# Altium PCB PCB1_1.pcbdoc (part 2 of 3) (continued)
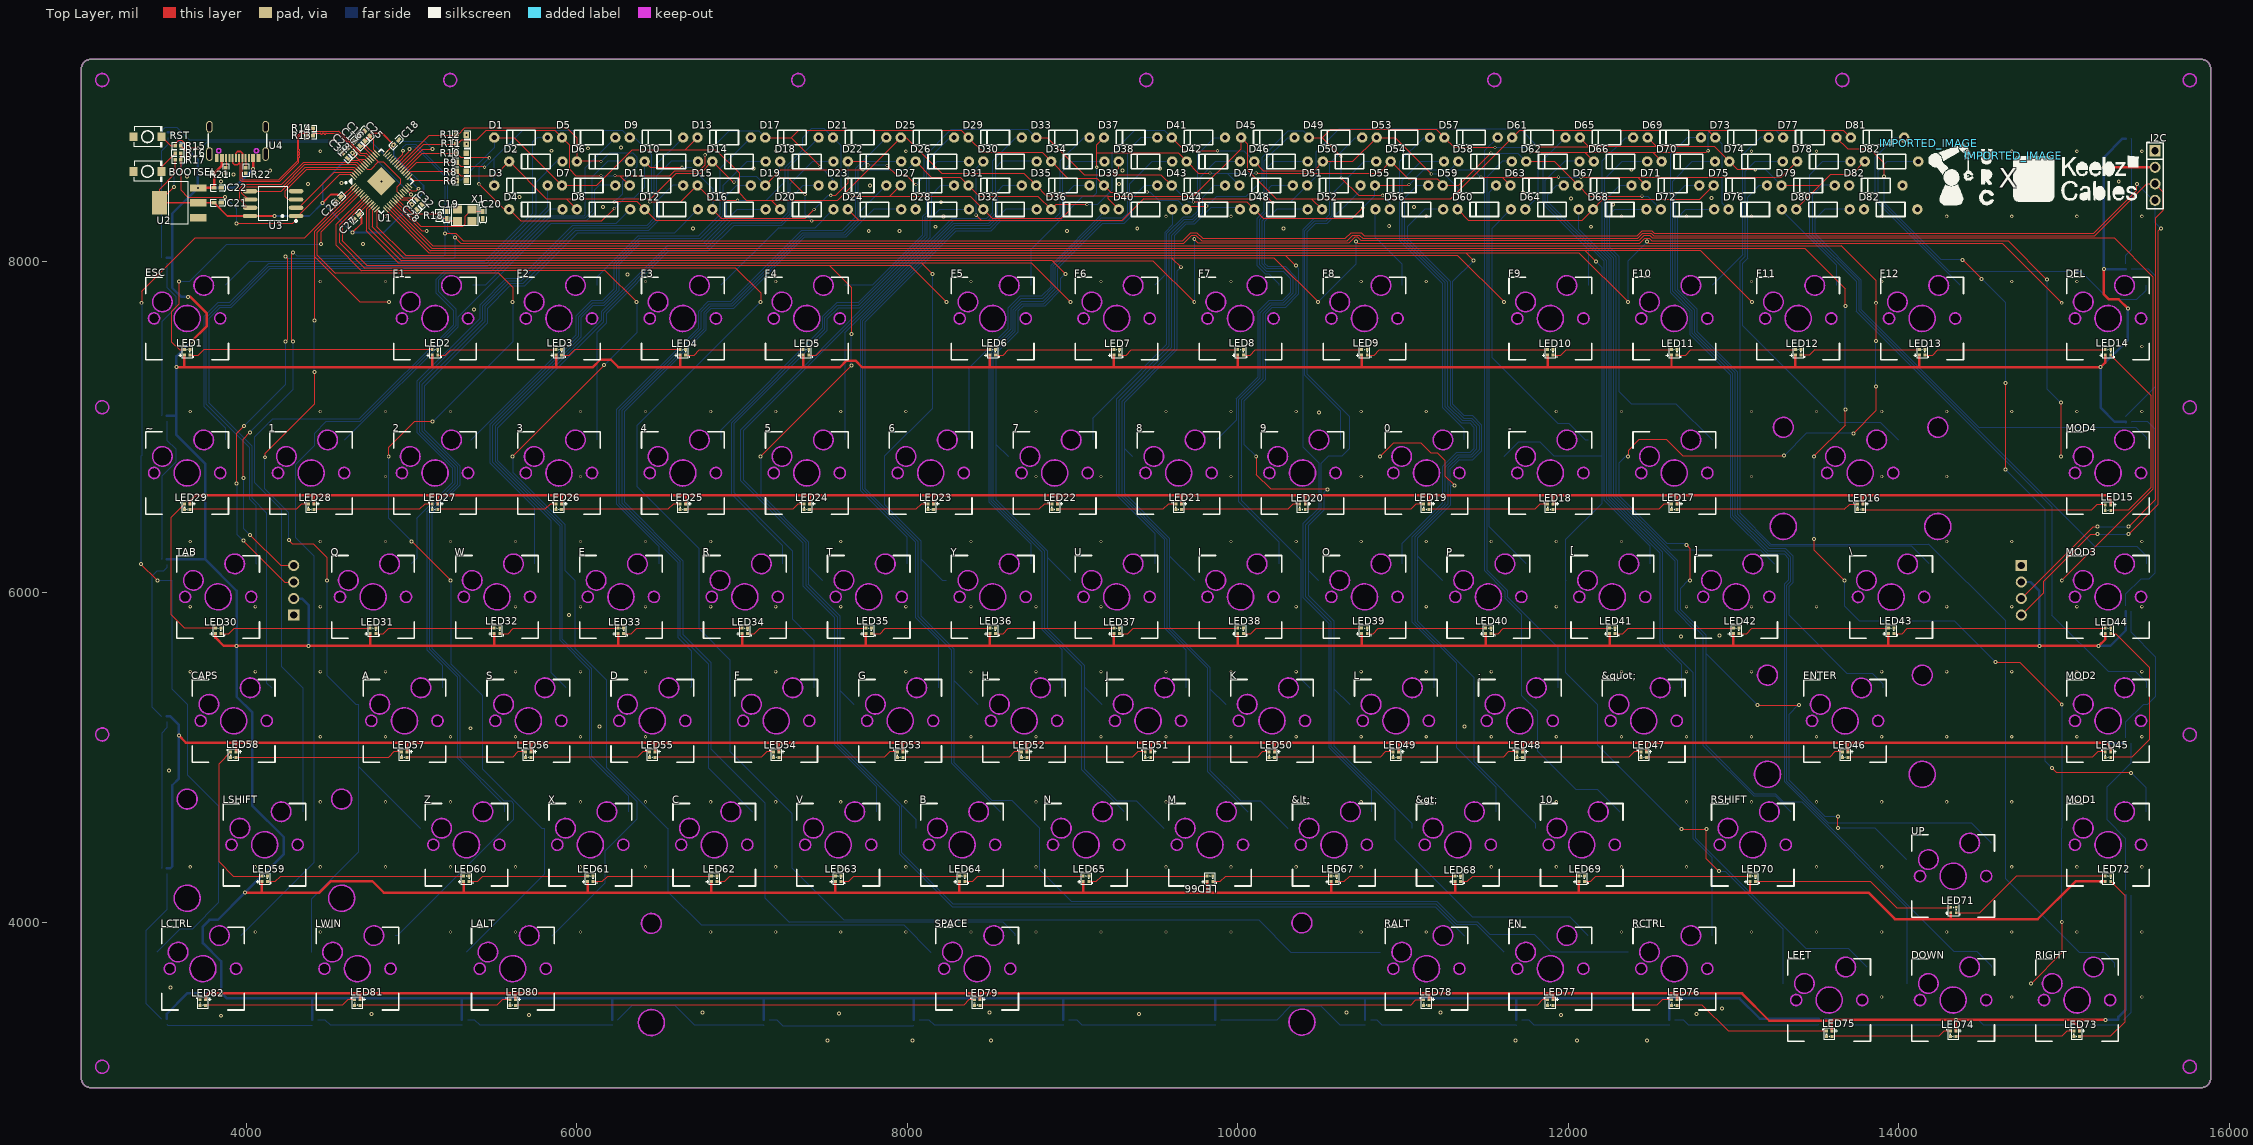
[diagram p0: Top Layer view]
## Nets (pads, with @x,y where several pads share a name; then routed paths per layer and width w, separated by ;. In a path a pad name is that pad's centre, name@x,y a point inside that pad or via, vN(x,y) a via of type N, cw(c..) or ccw(c..) an arc to the next point about the centre after c; other vN are vias at no path point) (continued)
$1N385513: D79.2 SW77.2 | length 3377.3
  Bottom Layer w5: D79.2@13612.32,8460.51 13535.91,8460.51 13475.91,8400.51 13475.91,8165.51 13755.91,7885.51 13755.91,7705.51 15185.91,6275.51 15440.91,6275.51 15495.83,6220.59 SW77.2@15495.83,6170.51
$1N385562: D80.2 SW78.2 | length 2958.2
  Bottom Layer w5: D80.2@13702.32,8315.51 13550.91,8315.51 13490.91,8255.51 13490.91,8170.51 13770.91,7890.51 13770.91,7710.51 14485.91,6995.51 15435.91,6995.51 15495.83,6935.59 SW78.2@15495.83,6920.51
$1N385645: D82.2@14117.32,8605.51 SW79.2 | length 2369.6
  Bottom Layer w5: D82.2@14117.32,8605.51 13930.91,8605.51 13870.91,8545.51 13870.91,8375.51 14305.91,7940.51 15100.91,7940.51 15270.91,7770.51 15440.91,7770.51 15495.83,7825.43 SW79.2@15495.83,7855.51
$1N385694: D65.2 SW82.2 | length 5938.8
  Bottom Layer w5: D65.2@12392.32,8750.51 12345.91,8750.51 12205.91,8610.51 12205.91,8070.51 12260.91,8015.51 12260.91,6570.51 12645.91,6185.51 12645.91,5885.51 12770.91,5760.51 12770.91,4510.51 13440.91,3840.51 13698.13,3840.51 SW82.2@13808.13,3730.51
$1N385777: D69.2 SW80.2 | length 6109.1
  Bottom Layer w5: D69.2@12802.32,8750.51 12720.91,8750.51 12615.91,8645.51 12615.91,7815.51 12735.91,7695.51 12735.91,7560.51 12980.91,7315.51 12980.91,6455.51 13205.91,6230.51 13305.91,6230.51 13330.91,6205.51 13330.91,6070.51 13305.91,6045.51 13305.91,4853.28 14333.68,3825.51 14470.91,3825.51 14558.22,3738.2 SW80.2@14558.22,3730.51
$1N385826: D74.2 SW81.2 | length 6666.4
  Bottom Layer w5: D74.2@13297.32,8605.51 13130.91,8605.51 13070.91,8545.51 13070.91,8030.51 13040.91,8000.51 13040.91,6475.51 13225.91,6290.51 14180.91,6290.51 14645.91,5825.51 14645.91,4263.28 15093.68,3815.51 15245.91,3815.51 15308.13,3753.28 SW81.2@15308.13,3730.51
$3N114977: LED1.1 LED2.4 | length 1480.4
  Top Layer w5: LED1.1@3657.64,7433.79 3709.18,7433.79 3740.91,7465.51 5122.44,7465.51 LED2.4@5124.18,7467.24
$3N114980: LED2.1 LED3.4 | length 730.4
  Top Layer w5: LED2.1@5157.64,7433.79 5204.19,7433.79 5235.9,7465.51 5872.44,7465.51 LED3.4@5874.18,7467.24
$3N114983: LED3.1 LED4.4 | length 730.4
  Top Layer w5: LED3.1@5907.64,7433.79 5954.19,7433.79 5985.9,7465.51 6622.44,7465.51 LED4.4@6624.18,7467.24
$3N114986: LED4.1 LED5.4 | length 725.4
  Top Layer w5: LED4.1@6657.64,7433.79 6709.19,7433.79 6740.9,7465.51 7367.44,7465.51 LED5.4@7369.18,7467.24
$3N114989: LED5.1 LED6.4 | length 1110.4
  Top Layer w5: LED5.1@7402.64,7433.79 7449.19,7433.79 7480.9,7465.51 8497.44,7465.51 LED6.4@8499.17,7467.24
$3N114992: LED6.1 LED7.4 | length 730.4
  Top Layer w5: LED6.1@8532.64,7433.79 8579.18,7433.79 8610.91,7465.51 9247.44,7465.51 LED7.4@9249.17,7467.24
$3N114995: LED7.1 LED8.4 | length 730.4
  Top Layer w5: LED7.1@9282.64,7433.79 9324.18,7433.79 9355.91,7465.51 9997.44,7465.51 LED8.4@9999.17,7467.24
$3N114998: LED8.1 LED9.4 | length 730.4
  Top Layer w5: LED8.1@10032.64,7433.79 10074.18,7433.79 10105.91,7465.51 10747.44,7465.51 LED9.4@10749.17,7467.24
$3N115509: LED10.1 LED11.4 | length 730.4
  Top Layer w5: LED10.1@11907.64,7433.79 11954.18,7433.79 11985.91,7465.51 12622.44,7465.51 LED11.4@12624.17,7467.24
$3N115511: LED11.1 LED12.4 | length 730.4
  Top Layer w5: LED11.1@12657.64,7433.79 12709.18,7433.79 12740.91,7465.51 13372.44,7465.51 LED12.4@13374.17,7467.24
$3N115513: LED12.1 LED13.4 | length 730.4
  Top Layer w5: LED12.1@13407.64,7433.79 13459.18,7433.79 13490.91,7465.51 14122.44,7465.51 LED13.4@14124.17,7467.24
$3N115515: LED13.1 LED14.4 | length 1105.4
  Top Layer w5: LED13.1@14157.64,7433.79 14204.18,7433.79 14235.91,7465.51 15247.44,7465.51 LED14.4@15249.17,7467.24
$3N115517: LED14.1 LED15.4 | length 1204
  Top Layer w5: LED15.4@15282.64,6493.78 15389.17,6493.78 15525.91,6630.51 15525.91,7190.52 LED14.1@15282.64,7433.79
$3N115519: LED15.1 LED16.4 | length 1481
  Top Layer w5: LED16.4@13782.64,6498.78 13785.91,6495.51 15165.91,6495.51 15197.62,6527.23 LED15.1@15249.17,6527.23
$3N115521: LED16.1 LED17.4 | length 1105.4
  Top Layer w5: LED17.4@12657.64,6498.78 12659.36,6500.51 13670.91,6500.51 13702.62,6532.23 LED16.1@13749.17,6532.23
$3N115523: LED17.1 LED18.4 | length 730.4
  Top Layer w5: LED18.4@11907.64,6498.78 11909.36,6500.51 12545.91,6500.51 12577.62,6532.23 LED17.1@12624.17,6532.23
$3N115525: LED18.1 LED19.4 | length 730.4
  Top Layer w5: LED19.4@11157.64,6498.78 11159.36,6500.51 11795.91,6500.51 11827.62,6532.23 LED18.1@11874.17,6532.23
$3N116527: LED20.1 LED21.4 | length 730.4
  Top Layer w5: LED21.4@9657.64,6498.78 9659.36,6500.51 10300.91,6500.51 10332.62,6532.23 LED20.1@10374.17,6532.23
$3N116529: LED21.1 LED22.4 | length 730.4
  Top Layer w5: LED22.4@8907.64,6498.78 8909.36,6500.51 9545.91,6500.51 9577.62,6532.23 LED21.1@9624.17,6532.23
$3N116531: LED22.1 LED23.4 | length 730.4
  Top Layer w5: LED23.4@8157.64,6498.78 8159.36,6500.51 8795.91,6500.51 8827.62,6532.23 LED22.1@8874.17,6532.23
$3N116533: LED23.1 LED24.4 | length 730.4
  Top Layer w5: LED24.4@7407.64,6498.78 7409.36,6500.51 8050.9,6500.51 8082.62,6532.23 LED23.1@8124.18,6532.23
$3N116535: LED24.1 LED25.4 | length 730.4
  Top Layer w5: LED25.4@6657.64,6498.78 6659.36,6500.51 7305.9,6500.51 7337.62,6532.23 LED24.1@7374.18,6532.23
$3N116537: LED25.1 LED26.4 | length 730.4
  Top Layer w5: LED26.4@5907.64,6498.78 5909.36,6500.51 6550.9,6500.51 6582.62,6532.23 LED25.1@6624.18,6532.23
$3N116539: LED26.1 LED27.4 | length 730.4
  Top Layer w5: LED27.4@5157.64,6498.78 5159.36,6500.51 5805.9,6500.51 5837.62,6532.23 LED26.1@5874.18,6532.23
$3N116541: LED27.1 LED28.4 | length 730.4
  Top Layer w5: LED28.4@4407.64,6498.78 4409.36,6500.51 5045.9,6500.51 5077.62,6532.23 LED27.1@5124.18,6532.23
$3N116543: LED28.1 LED29.4 | length 730.4
  Top Layer w5: LED29.4@3657.64,6498.78 3659.36,6500.51 4300.9,6500.51 4332.62,6532.23 LED28.1@4374.18,6532.23
$3N116567: LED30.1 LED31.4 | length 917.7
  Top Layer w5: LED30.1@3845.33,5748.79 3894.18,5748.79 3925.91,5780.51 4747.44,5780.51 LED31.4@4749.18,5782.24
$3N116569: LED31.1 LED32.4 | length 730.4
  Top Layer w5: LED31.1@4782.64,5748.79 4829.19,5748.79 4860.9,5780.51 5497.44,5780.51 LED32.4@5499.18,5782.24
$3N116571: LED32.1 LED33.4 | length 730.4
  Top Layer w5: LED32.1@5532.64,5748.79 5584.19,5748.79 5615.9,5780.51 6247.44,5780.51 LED33.4@6249.18,5782.24
$3N116573: LED33.1 LED34.4 | length 730.4
  Top Layer w5: LED33.1@6282.64,5748.79 6329.19,5748.79 6360.9,5780.51 6997.44,5780.51 LED34.4@6999.18,5782.24
$3N116575: LED34.1 LED35.4 | length 730.4
  Top Layer w5: LED34.1@7032.64,5748.79 7074.19,5748.79 7105.9,5780.51 7747.44,5780.51 LED35.4@7749.18,5782.24
$3N116577: LED35.1 LED36.4 | length 730.4
  Top Layer w5: LED35.1@7782.64,5748.79 7834.19,5748.79 7865.9,5780.51 8497.44,5780.51 LED36.4@8499.17,5782.24
$3N116579: LED36.1 LED37.4 | length 730.4
  Top Layer w5: LED36.1@8532.64,5748.79 8579.18,5748.79 8610.91,5780.51 9247.44,5780.51 LED37.4@9249.17,5782.24
$3N116581: LED37.1 LED38.4 | length 730.4
  Top Layer w5: LED37.1@9282.64,5748.79 9334.18,5748.79 9365.91,5780.51 9997.44,5780.51 LED38.4@9999.17,5782.24
$3N116583: LED38.1 LED39.4 | length 730.4
  Top Layer w5: LED38.1@10032.64,5748.79 10079.18,5748.79 10110.91,5780.51 10747.44,5780.51 LED39.4@10749.17,5782.24
$3N118563: LED40.1 LED41.4 | length 730.4
  Top Layer w5: LED40.1@11532.64,5748.79 11574.18,5748.79 11605.91,5780.51 12247.44,5780.51 LED41.4@12249.17,5782.24
$3N118565: LED41.1 LED42.4 | length 730.4
  Top Layer w5: LED41.1@12282.64,5748.79 12329.18,5748.79 12360.91,5780.51 12997.44,5780.51 LED42.4@12999.17,5782.24
$3N118567: LED42.1 LED43.4 | length 917.3
  Top Layer w5: LED42.1@13032.64,5748.79 13079.18,5748.79 13110.91,5780.51 13934.39,5780.51 LED43.4@13936.12,5782.24
$3N118569: LED43.1 LED44.4 | length 1293.5
  Top Layer w5: LED43.1@13969.58,5748.79 14019.18,5748.79 14050.91,5780.51 15247.44,5780.51 LED44.4@15249.17,5782.24
$3N118571: LED44.1 LED45.4 | length 1035
  Top Layer w5: LED45.4@15282.64,4998.78 15284.36,5000.51 15410.91,5000.51 15515.91,5105.51 15515.91,5545.51 15312.62,5748.79 LED44.1@15282.64,5748.79
$3N118573: LED45.1 LED46.4 | length 1571.7
  Top Layer w5: LED46.4@13691.32,4998.78 13693.05,5000.51 15170.91,5000.51 15202.62,5032.23 LED45.1@15249.17,5032.23
$3N118575: LED46.1 LED47.4 | length 1199.1
  Top Layer w5: LED47.4@12472.64,4998.78 12474.36,5000.51 13580.91,5000.51 13612.62,5032.23 LED46.1@13657.86,5032.23
$3N118577: LED47.1 LED48.4 | length 730.4
  Top Layer w5: LED48.4@11722.64,4998.78 12364.17,4998.78 12397.62,5032.23 LED47.1@12439.17,5032.23
$3N118579: LED48.1 LED49.4 | length 730.4
  Top Layer w5: LED49.4@10972.64,4998.78 10974.36,5000.51 11605.91,5000.51 11637.62,5032.23 LED48.1@11689.17,5032.23
$3N118603: LED50.1 LED51.4 | length 730.4
  Top Layer w5: LED51.4@9472.64,4998.78 9474.36,5000.51 10115.91,5000.51 10147.62,5032.23 LED50.1@10189.17,5032.23
$3N118605: LED51.1 LED52.4 | length 730.4
  Top Layer w5: LED52.4@8722.64,4998.78 8724.36,5000.51 9360.91,5000.51 9392.62,5032.23 LED51.1@9439.17,5032.23
$3N118607: LED52.1 LED53.4 | length 730.4
  Top Layer w5: LED53.4@7972.64,4998.78 7974.36,5000.51 8615.91,5000.51 8647.62,5032.23 LED52.1@8689.17,5032.23
$3N118609: LED53.1 LED54.4 | length 730.4
  Top Layer w5: LED54.4@7222.64,4998.78 7224.36,5000.51 7860.9,5000.51 7892.62,5032.23 LED53.1@7939.18,5032.23
$3N118611: LED54.1 LED55.4 | length 730.4
  Top Layer w5: LED55.4@6472.64,4998.78 6474.36,5000.51 7115.9,5000.51 7147.62,5032.23 LED54.1@7189.18,5032.23
$3N118613: LED55.1 LED56.4 | length 730.4
  Top Layer w5: LED56.4@5722.64,4998.78 5724.36,5000.51 6365.9,5000.51 6397.62,5032.23 LED55.1@6439.18,5032.23
$3N118615: LED56.1 LED57.4 | length 730.4
  Top Layer w5: LED57.4@4972.64,4998.78 4974.36,5000.51 5610.9,5000.51 5642.62,5032.23 LED56.1@5689.18,5032.23
$3N118617: LED57.1 LED58.4 | length 1015.4
  Top Layer w5: LED58.4@3937.64,4998.78 3939.36,5000.51 4860.9,5000.51 4892.62,5032.23 LED57.1@4939.18,5032.23
$3N118619: LED58.1 LED59.4 | length 992
  Top Layer w5: LED58.1@3904.18,5032.23 3830.91,4958.96 3830.91,4370.51 3920.91,4280.51 4091.13,4280.51 LED59.4@4092.86,4282.24
$3N118643: LED60.1 LED61.4 | length 730.4
  Top Layer w5: LED60.1@5347.64,4248.79 5399.19,4248.79 5430.9,4280.51 6062.44,4280.51 LED61.4@6064.18,4282.24
$3N118645: LED61.1 LED62.4 | length 730.4
  Top Layer w5: LED61.1@6097.64,4248.79 6154.19,4248.79 6185.9,4280.51 6812.44,4280.51 LED62.4@6814.18,4282.24
$3N118647: LED62.1 LED63.4 | length 730.4
  Top Layer w5: LED62.1@6847.64,4248.79 6894.19,4248.79 6925.9,4280.51 7562.44,4280.51 LED63.4@7564.18,4282.24
$3N118649: LED63.1 LED64.4 | length 730.4
  Top Layer w5: LED63.1@7597.64,4248.79 7644.19,4248.79 7675.9,4280.51 8312.44,4280.51 LED64.4@8314.17,4282.24
$3N118651: LED64.1 LED65.4 | length 730.4
  Top Layer w5: LED64.1@8347.64,4248.79 8394.18,4248.79 8425.91,4280.51 9062.44,4280.51 LED65.4@9064.17,4282.24
$3N118653: LED65.1 LED66.4 | length 730.4
  Top Layer w5: LED65.1@9097.64,4248.79 9144.18,4248.79 9175.91,4280.51 9812.44,4280.51 LED66.4@9814.17,4282.24
$3N118655: LED66.1 LED67.4 | length 730.4
  Top Layer w5: LED66.1@9847.64,4248.79 9894.18,4248.79 9925.91,4280.51 10562.44,4280.51 LED67.4@10564.17,4282.24
$3N118657: LED67.1 LED68.4 | length 730.4
  Top Layer w5: LED67.1@10597.64,4248.79 10644.18,4248.79 10675.91,4280.51 11312.44,4280.51 LED68.4@11314.17,4282.24
$3N118659: LED68.1 LED69.4 | length 730.4
  Top Layer w5: LED68.1@11347.64,4248.79 11389.18,4248.79 11420.91,4280.51 12062.44,4280.51 LED69.4@12064.17,4282.24
$3N118683: LED70.1 LED71.4 | length 1247.8
  Top Layer w5: LED70.1@13132.64,4248.79 13827.62,4248.79 13985.91,4090.51 14312.44,4090.51 LED71.4@14314.17,4092.24
$3N118685: LED71.1 LED72.4 | length 994.1
  Top Layer w5: LED71.1@14347.64,4058.79 14489.18,4058.79 14710.91,4280.51 15247.44,4280.51 LED72.4@15249.17,4282.24
$3N118687: LED72.1 LED73.4 | length 1197
  Top Layer w5: LED73.4@15092.64,3308.78 15094.36,3310.51 15280.91,3310.51 15365.91,3395.51 15365.91,4165.52 LED72.1@15282.64,4248.79
$3N118689: LED73.1 LED74.4 | length 727.9
  Top Layer w5: LED74.4@14345.18,3308.78 14346.91,3310.51 14985.91,3310.51 15017.62,3342.23 LED73.1@15059.17,3342.23
$3N118691: LED74.1 LED75.4 | length 730.2
  Top Layer w5: LED75.4@13595.35,3308.78 13597.08,3310.51 14240.91,3310.51 14272.62,3342.23 LED74.1@14311.72,3342.23
$3N118693: LED75.1 LED76.4 | length 970.5
  Top Layer w5: LED76.4@12657.64,3498.78 12659.36,3500.51 12810.91,3500.51 12969.18,3342.23 LED75.1@13561.89,3342.23
$3N118695: LED76.1 LED77.4 | length 730.4
  Top Layer w5: LED77.4@11907.64,3498.78 11909.36,3500.51 12535.91,3500.51 12567.62,3532.23 LED76.1@12624.17,3532.23
$3N118697: LED77.1 LED78.4 | length 730.4
  Top Layer w5: LED78.4@11157.64,3498.78 11159.36,3500.51 11810.91,3500.51 11842.62,3532.23 LED77.1@11874.17,3532.23
$3N118699: LED78.1 LED79.4 | length 2699.1
  Top Layer w5: LED79.4@8438.88,3498.78 8440.61,3500.51 11045.91,3500.51 11077.62,3532.23 LED78.1@11124.17,3532.23
$3N118824: LED80.1 LED81.4 | length 920.4
  Top Layer w5: LED81.4@4687.64,3498.78 4689.36,3500.51 5515.9,3500.51 5547.62,3532.23 LED80.1@5594.18,3532.23
$3N118847: LED9.1 LED10.4 | length 1105.4
  Top Layer w5: LED9.1@10782.64,7433.79 10824.18,7433.79 10855.91,7465.51 11872.44,7465.51 LED10.4@11874.17,7467.24
$3N118859: LED19.1 LED20.4 | length 730.4
  Top Layer w5: LED20.4@10407.64,6498.78 10409.36,6500.51 11045.91,6500.51 11077.62,6532.23 LED19.1@11124.17,6532.23
$3N118871: LED29.1 LED30.4 | length 1006.7
  Top Layer w5: LED29.1@3624.18,6532.23 3540.91,6448.96 3540.91,5865.51 3624.18,5782.24 LED30.4@3811.87,5782.24
$3N118883: LED39.1 LED40.4 | length 730.4
  Top Layer w5: LED39.1@10782.64,5748.79 10819.18,5748.79 10850.91,5780.51 11497.44,5780.51 LED40.4@11499.17,5782.24
$3N118895: LED49.1 LED50.4 | length 730.4
  Top Layer w5: LED50.4@10222.64,4998.78 10224.36,5000.51 10860.91,5000.51 10892.62,5032.23 LED49.1@10939.17,5032.23
$3N118907: LED59.1 LED60.4 | length 1201.7
  Top Layer w5: LED59.1@4126.32,4248.79 4174.19,4248.79 4205.9,4280.51 5312.44,4280.51 LED60.4@5314.18,4282.24
$3N118919: LED69.1 LED70.4 | length 1015.4
  Top Layer w5: LED69.1@12097.64,4248.79 12134.18,4248.79 12165.91,4280.51 13097.44,4280.51 LED70.4@13099.17,4282.24
$3N118931: LED79.1 LED80.4 | length 2791.6
  Top Layer w5: LED80.4@5627.64,3498.78 5629.36,3500.51 8340.91,3500.51 8372.62,3532.23 LED79.1@8405.42,3532.23
$3N124660: LED81.1 LED82.4 | length 915.4
  Top Layer w5: LED82.4@3752.64,3498.78 3754.36,3500.51 4580.9,3500.51 4612.62,3532.23 LED81.1@4654.18,3532.23
$3N125947: LED83.1 LED84.4 | length 742.5
  Bottom Layer w5: LED84.4@3484.18,8022.24 3484.18,8668.78 3522.62,8707.23 LED83.1@3522.62,8748.78
$3N125948: LED84.1 LED85.4 | length 979.5
  Bottom Layer w5: LED85.4@3484.18,7067.24 3485.91,7068.97 3485.91,7635.51 3570.91,7720.51 3570.91,7790.51 3517.62,7843.79 LED84.1@3517.62,7988.78
$3N125949: LED85.1 LED86.4 | length 894.5
  Bottom Layer w5: LED86.4@3484.18,6197.24 3485.91,6198.97 3485.91,6700.51 3570.91,6785.51 3570.91,6865.51 3517.62,6918.79 LED85.1@3517.62,7033.78
$3N125950: LED86.1 LED87.4 | length 1002.1
  Bottom Layer w5: LED87.4@3484.18,5247.24 3425.91,5305.51 3425.91,6095.51 3455.91,6125.51 3495.91,6125.51 3517.62,6147.23 LED86.1@3517.62,6163.78
$3N125951: LED87.1 LED88.4 | length 900.4
  Bottom Layer w5: LED88.4@3484.18,4327.24 3485.91,4328.97 3485.91,5145.51 3517.62,5177.23 LED87.1@3517.62,5213.78
$3N125952: LED88.1 LED89.4 | length 967.7
  Bottom Layer w5: LED89.4@3484.18,3417.24 3390.91,3510.51 3390.91,3950.51 3517.62,4077.23 LED88.1@3517.62,4293.78
$3N125953: LED89.1 LED90.4 | length 883.6
  Bottom Layer w5: LED89.1@3517.62,3383.78 3522.62,3378.78 LED90.4@4399.18,3378.78
$3N125954: LED90.1 LED91.4 | length 885.4
  Bottom Layer w5: LED90.1@4432.64,3412.23 4474.19,3412.23 4505.9,3380.51 5302.44,3380.51 LED91.4@5304.18,3378.78
$3N125955: LED91.1 LED92.4 | length 890.4
  Bottom Layer w5: LED91.1@5337.64,3412.23 5379.19,3412.23 5410.9,3380.51 6212.44,3380.51 LED92.4@6214.18,3378.78
$3N125958: LED93.1 LED94.4 | length 893.1
  Bottom Layer w5: LED93.1@7162.64,3412.23 7209.19,3412.23 7245.9,3375.51 8035.9,3375.51 LED94.4@8039.18,3378.78
$3N125959: LED94.1 LED95.4 | length 885.4
  Bottom Layer w5: LED94.1@8072.64,3412.23 8129.19,3412.23 8160.9,3380.51 8942.44,3380.51 LED95.4@8944.17,3378.78
$3N125960: LED95.1 LED96.4 | length 900.4
  Bottom Layer w5: LED95.1@8977.64,3412.23 9024.18,3412.23 9055.91,3380.51 9862.44,3380.51 LED96.4@9864.17,3378.78
$3N125961: LED96.1 LED97.4 | length 954.4
  Bottom Layer w5: LED96.1@9897.64,3412.23 10237.62,3412.23 10320.91,3495.51 10500.91,3495.51 10615.91,3380.51 10767.44,3380.51 LED97.4@10769.17,3378.78
$3N125962: LED97.1 LED98.4 | length 895.4
  Bottom Layer w5: LED97.1@10802.64,3412.23 10839.18,3412.23 10870.91,3380.51 11682.44,3380.51 LED98.4@11684.17,3378.78
$3N125963: LED98.1 LED99.4 | length 907.4
  Bottom Layer w5: LED98.1@11717.64,3412.23 11759.18,3412.23 11790.91,3380.51 12609.43,3380.51 LED99.4@12611.16,3378.78
$3N125964: LED99.1 LED100.4 | length 886
  Bottom Layer w5: LED99.1@12644.62,3412.23 12694.19,3412.23 12725.91,3380.51 13512.9,3380.51 LED100.4@13516.16,3383.78
$3N125965: LED100.1 LED101.4 | length 873.5
  Bottom Layer w5: LED100.1@13549.62,3417.23 13594.19,3417.23 13630.91,3380.51 14405.46,3380.51 LED101.4@14407.19,3378.78
$3N125966: LED101.1 LED102.4 | length 902.4
  Bottom Layer w5: LED101.1@14440.65,3412.23 14479.18,3412.23 14510.91,3380.51 15327.44,3380.51 LED102.4@15329.17,3378.78
$3N125969: LED103.1 LED104.4 | length 994.2
  Bottom Layer w5: LED103.1@15374.18,4197.24 15374.18,4507.23 15260.91,4620.51 15260.91,4820.51 15405.91,4965.51 15405.91,5082.05 LED104.4@15407.64,5083.78
$3N125970: LED104.1 LED105.4 | length 919.3
  Bottom Layer w5: LED104.1@15374.18,5117.24 15374.18,5213.79 15480.91,5320.51 15505.91,5320.51 15555.91,5370.51 15555.91,5605.51 15405.91,5755.51 15405.91,5882.05 LED105.4@15407.64,5883.78
$3N125971: LED105.1 LED106.4 | length 1333.4
  Bottom Layer w5: LED105.1@15374.18,5917.24 15374.18,5988.79 15465.91,6080.51 15515.91,6080.51 15550.91,6115.51 15550.91,6985.51 15505.91,7030.51 15409.36,7030.51 LED106.4@15407.64,7028.78
$3N125972: LED106.1 LED107.4 | length 1089.7
  Bottom Layer w5: LED106.1@15374.18,7062.24 15555.91,7243.96 15555.91,7910.51 15512.64,7953.78 LED107.4@15407.64,7953.78
$3N125973: LED107.1 LED108.4 | length 773.1
  Bottom Layer w5: LED107.1@15374.18,7987.24 15374.18,8038.79 15410.91,8075.51 15410.91,8740.51 LED108.4@15407.64,8743.78
$3N125975: LED92.1 LED93.4 | length 968.5
  Bottom Layer w5: LED92.1@6247.64,3412.23 6335.91,3500.51 6590.9,3500.51 6710.9,3380.51 7127.44,3380.51 LED93.4@7129.18,3378.78
$3N125976: LED102.1 LED103.4 | length 770.2
  Bottom Layer w5: LED102.1@15362.64,3412.23 15407.64,3457.23 LED103.4@15407.64,4163.78
+1.1V: C17.2 C31.2 C32.2 U1.23 U1.45 U1.50 | length 788.4
  Top Layer w5: C31.2@4611.08,8625.34 4624.92,8611.49 4678.78,8611.49 U1.50@4711.51,8578.76 4734.76,8555.51 4750.9,8555.51 4798.51,8603.12 ; C17.2@4686.08,8700.34 4701.29,8700.34 U1.45@4767.19,8634.44 4798.51,8603.12 ; C32.2@5030.73,8375.68 5023.63,8382.78 4952.03,8382.78 U1.23@4931.44,8403.38 4910.9,8423.91 4910.9,8450.51 4930.9,8470.51 4930.9,8500.51 4828.3,8603.12 4798.51,8603.12
+3.3V: C16.1 C18.1 C21.2 C23.2 C25.2 C26.2 C27.2 C28.2 R15.1 R17.2 U1.1 U1.10 U1.22 U1.33 U1.42 U1.43 U1.44 U1.48 U1.49 U2.2 U2.4 U3.8 | length 5047.1
  Top Layer w5: U2.4@3473.98,8355.51 U2.4@3473.98,8363.58 ; v2(3560.91,8450.51) U2.4@3473.98,8363.58 ; R17.2@3568.86,8615.51 3568.86,8533.47 3473.98,8438.58 U2.4@3473.98,8363.58 ; R15.1@3602.95,8700.51 3640.91,8662.55 v2(3640.91,8615.51) ; C26.2@4571.08,8390.68 4576.32,8390.68 U1.1@4644.69,8459.06 ; C23.2@4646.08,8650.34 4675.9,8620.51 4692.03,8620.51 ; C27.2@4681.08,8285.68 4681.08,8295.01 U1.10@4744.91,8358.84 ; C16.1@4716.08,8730.34 4716.08,8707.82 U1.44@4778.32,8645.58 ; U1.49@4722.64,8589.9 4692.03,8620.51 ; U1.48@4733.78,8601.04 4714.31,8620.51 4692.03,8620.51 ; C25.2@4746.08,8760.34 4770.9,8735.51 4770.9,8675.27 U1.43@4789.46,8656.71 ; U1.42@4842.36,8656.96 v2(4890.9,8705.51) ; U1.22@4920.3,8392.24 4940.9,8371.65 4974.77,8371.65 C28.2@5000.73,8345.68 ; U1.33@4942.58,8556.5 5066.58,8680.51 v2(5125.9,8680.51)
  Top Layer w10: U2.4@3473.98,8355.51 U2.2@3707.83,8355.51 C21.2@3804.45,8355.51 3884.45,8275.51 U3.8@4021.93,8275.51 v2(4170.9,8275.51) ; v2(4460.9,8355.51) 4510.9,8405.51 4556.25,8405.51 C26.2@4571.08,8390.68 ; v2(4640.9,8175.51) 4695.9,8230.51 4695.9,8270.51 4681.08,8285.34 C27.2@4681.08,8285.68 ; v2(4640.9,8655.51) C23.2@4641.08,8655.34 ; C16.1@4716.08,8730.34 4716.08,8730.68 C25.2@4746.08,8760.68 ; C25.2@4746.08,8760.34 C25.2@4746.08,8760.68 ; v2(4890.9,8705.51) 4820.9,8775.51 4760.9,8775.51 C25.2@4746.08,8760.68 ; C28.2@5000.73,8345.68 v2(5000.9,8345.51)
  Bottom Layer w5: v2(3560.91,8450.51) 3560.91,8535.51 v2(3640.91,8615.51) ; v2(4890.9,8705.51) 4910.9,8725.51 5080.9,8725.51 v2(5125.9,8680.51)
  Bottom Layer w10: v2(4170.9,8275.51) 4380.9,8275.51 v2(4460.9,8355.51) ; v2(4640.9,8655.51) 4460.9,8475.51 v2(4460.9,8355.51) ; v2(4890.9,8705.51) 4890.9,8640.51 5070.9,8460.51 5070.9,8415.51 v2(5000.9,8345.51) 4830.9,8175.51 v2(4640.9,8175.51) v2(4460.9,8355.51)
C1: SW1.1 SW2.1 SW15.1 SW29.1 SW56.1 SW70.1 U1.2 | length 6004.2
  Top Layer w5: v2(3360.99,6168.1) 3458.57,6070.51 v2(3460.91,6070.51) ; v2(3365.91,7750.51) 3365.91,7820.51 3685.91,8140.51 4348.42,8140.51 U1.2@4655.83,8447.92
  Bottom Layer w5: v2(3360.99,6168.1) SW15.1@3360.99,6820.51 3365.91,6825.43 v2(3365.91,7750.51) SW2.1@3360.99,7755.43 ; SW70.1@3455.99,3820.51 3595.99,3960.51 3670.91,3960.51 3829.65,4119.25 SW56.1@3829.65,4570.51 3829.65,4706.77 3642.48,4893.93 SW1.1@3642.48,5320.51 3548.39,5414.6 SW29.1@3548.39,6070.51 v2(3460.91,6070.51)
C2: SW3.1 SW16.1 SW30.1 SW43.1 SW57.1 SW71.1 U1.3 | length 6380.5
  Top Layer w5: v2(4110.9,6815.51) 4110.9,6836.84 4410.9,7136.84 v2(4410.9,7332.86) ; v2(4255.9,6315.51) 4280.9,6290.51 4405.9,6290.51 4485.9,6210.51 v2(4485.9,6070.51) ; v2(4410.9,7644.31) 4410.9,8030.51 ; U1.3@4666.97,8436.78 4410.9,8180.72 4410.9,8030.51 ; v2(4861.4,7755.51) 4685.9,7755.51 4410.9,8030.51
  Bottom Layer w5: SW16.1@4110.98,6820.51 4110.98,6625.43 4255.9,6480.51 v2(4255.9,6315.51) ; SW71.1@4390.98,3820.51 4390.9,3820.59 4390.9,4140.51 4675.98,4425.59 4675.98,4945.51 ; v2(4410.9,7332.86) v2(4410.9,7644.31) ; v2(4485.9,6070.51) 4485.9,5495.51 4660.9,5320.51 SW43.1@4675.98,5320.51 4675.98,4945.51 ; SW57.1@5050.98,4570.51 4675.98,4945.51
C3: SW4.1 SW17.1 SW31.1 SW44.1 SW58.1 SW72.1 U1.4 | length 6748.3
  Top Layer w5: U1.4@4678.1,8425.65 4425.9,8173.45 4425.9,8040.51 4535.9,7930.51 5525.9,7930.51 5610.9,7845.51 v2(5610.9,7755.51) ; v2(4860.9,6820.51) 4860.9,6875.51 5015.9,7030.51 v2(5125.9,7030.51) ; v2(4999.46,6306.96) v2(5235.9,6070.51)
  Bottom Layer w5: SW17.1@4860.98,6820.51 4860.98,6445.43 v2(4999.46,6306.96) ; v2(5125.9,7030.51) 5610.9,7515.51 v2(5610.9,7755.51) ; v2(5235.9,6070.51) 5235.9,5565.51 5425.98,5375.43 SW44.1@5425.98,5320.51 5425.98,4930.43 5785.9,4570.51 SW58.1@5800.98,4570.51 5800.98,4290.51 SW72.1@5330.98,3820.51
C4: SW5.1 SW18.1 SW32.1 SW45.1 SW59.1 SW73.1 U1.7 | length 8340.8
  Top Layer w5: U1.7@4711.51,8392.24 4540.9,8221.64 4540.9,8100.51 4695.9,7945.51 6170.9,7945.51 v2(6360.9,7755.51) ; v2(5610.9,6820.51) v2(6163.78,7373.39)
  Bottom Layer w5: v2(5610.9,6820.51) 5610.9,6725.51 5925.9,6410.51 5925.9,6130.59 SW32.1@5985.98,6070.51 5985.98,5660.43 6175.98,5470.43 SW45.1@6175.98,5320.51 6175.98,4940.43 6545.9,4570.51 SW59.1@6550.98,4570.51 6550.98,4185.43 6750.9,3985.51 7977.18,3985.51 SW73.1@8142.18,3820.51 ; v2(6163.78,7373.39) 6360.9,7570.51 v2(6360.9,7755.51)
C5: SW6.1 SW19.1 SW33.1 SW46.1 SW60.1 SW74.1 U1.8 | length 10960.4
  Top Layer w5: U1.8@4722.64,8381.11 4560.9,8219.37 4560.9,8115.51 4715.9,7960.51 6960.9,7960.51 7110.9,7810.51 v2(7110.9,7755.51)
  Bottom Layer w5: SW46.1@6925.98,5320.51 SW46.1@6925.9,5320.59 ; v2(7110.9,7755.51) 6360.98,7005.59 SW19.1@6360.98,6820.51 6360.98,6640.43 6735.98,6265.43 SW33.1@6735.98,6070.51 6735.98,5780.43 6925.9,5590.51 SW46.1@6925.9,5320.59 ; SW60.1@7300.98,4570.51 SW60.1@7300.9,4570.59 ; SW74.1@10860.99,3820.51 10320.91,3820.51 10125.91,4015.51 7615.9,4015.51 7300.9,4330.51 SW60.1@7300.9,4570.59 ; SW46.1@6925.9,5320.59 6925.9,5035.51 7300.9,4660.51 SW60.1@7300.9,4570.59
C6: SW7.1 SW20.1 SW34.1 SW47.1 SW61.1 SW75.1 U1.9 | length 12616.4
  Top Layer w5: U1.9@4733.78,8369.97 4580.9,8217.09 4580.9,8125.51 4730.9,7975.51 7530.9,7975.51 ; v2(7110.9,6820.51) v2(7660.9,7370.51) ; v2(7660.9,7561.67) 7660.9,7845.51 7530.9,7975.51 ; v2(8235.91,7755.51) 8015.9,7975.51 7530.9,7975.51
  Bottom Layer w5: v2(7110.9,6820.51) 7110.9,6595.51 7400.9,6305.51 7400.9,6155.59 ; SW34.1@7485.98,6070.51 7400.9,6155.59 ; v2(7660.9,7370.51) v2(7660.9,7561.67) ; SW47.1@7675.98,5320.51 7590.9,5405.59 ; SW61.1@8050.98,4570.51 8050.98,4625.43 7965.9,4710.51 ; SW75.1@11610.99,3820.51 11445.99,3985.51 11325.91,3985.51 11200.91,4110.51 8275.91,4110.51 7965.9,4420.51 7965.9,4710.51 ; 7400.9,6155.59 7400.9,6045.51 7590.9,5855.51 7590.9,5405.59 ; 7590.9,5405.59 7590.9,5085.51 7965.9,4710.51
C7: SW8.1 SW21.1 SW35.1 SW48.1 SW62.1 SW76.1 U1.11 | length 13070.8
  Top Layer w5: U1.11@4756.05,8347.7 4725.9,8317.56 4725.9,8185.51 4920.9,7990.51 8085.9,7990.51 ; v2(8150.9,7925.51) 8085.9,7990.51 ; v2(8985.91,7755.51) 8750.91,7990.51 8085.9,7990.51
  Bottom Layer w5: v2(8150.9,7925.51) 8150.9,7110.43 SW21.1@7860.98,6820.51 7860.98,6530.43 8080.9,6310.51 8080.9,6200.51 ; SW35.1@8235.99,6070.51 8210.91,6070.51 8080.9,6200.51 ; SW48.1@8425.99,5320.51 8280.91,5465.59 ; SW76.1@12360.99,3820.51 11900.91,3820.51 11795.91,3925.51 11525.91,3925.51 11450.91,4000.51 11330.91,4000.51 11205.91,4125.51 8995.91,4125.51 8800.91,4320.51 8800.91,4570.43 SW62.1@8800.99,4570.51 8630.99,4740.51 8510.91,4740.51 8280.91,4970.51 8280.91,5465.59 ; 8080.9,6200.51 8080.9,5855.51 8280.91,5655.51 8280.91,5465.59
C8: SW9.1 SW22.1 SW36.1 SW49.1 SW63.1 SW77.1 U1.12 | length 18387.2
  Top Layer w5: U1.12@4767.19,8336.57 4740.9,8310.28 4740.9,8200.51 4935.9,8005.51 8875.91,8005.51 ; v2(8955.91,7925.51) 8875.91,8005.51 ; v2(9735.91,7755.51) 9485.91,8005.51 8875.91,8005.51 ; v2(9735.91,8135.51) 9760.91,8110.51 10670.91,8110.51 10705.91,8145.51 10725.91,8145.51 10745.91,8125.51 12425.91,8125.51 12455.91,8155.51 12495.91,8155.51 12510.91,8140.51 15305.91,8140.51 15540.91,7905.51 15540.91,6625.43 v2(14985.99,6070.51)
  Bottom Layer w5: SW22.1@8610.99,6820.51 8535.91,6895.59 ; v2(8955.91,7925.51) 8925.91,7895.51 8925.91,7825.51 8830.91,7730.51 8700.91,7730.51 8668.1,7697.71 8668.1,7572.71 8535.91,7440.51 8535.91,6895.59 ; SW36.1@8985.99,6070.51 8845.91,6210.59 ; SW49.1@9175.99,5320.51 9070.91,5425.59 ; SW63.1@9550.99,4570.51 9385.99,4735.51 9265.91,4735.51 9070.91,4930.51 9070.91,5425.59 ; v2(9735.91,8135.51) 9735.91,7755.59 SW9.1@9735.99,7755.51 ; 8535.91,6895.59 8535.91,6560.51 8845.91,6250.51 8845.91,6210.59 ; 8845.91,6210.59 8845.91,5780.51 9070.91,5555.51 9070.91,5425.59